# Altium PCB RTM_SFP.PcbDoc (part 2 of 5) (continued)
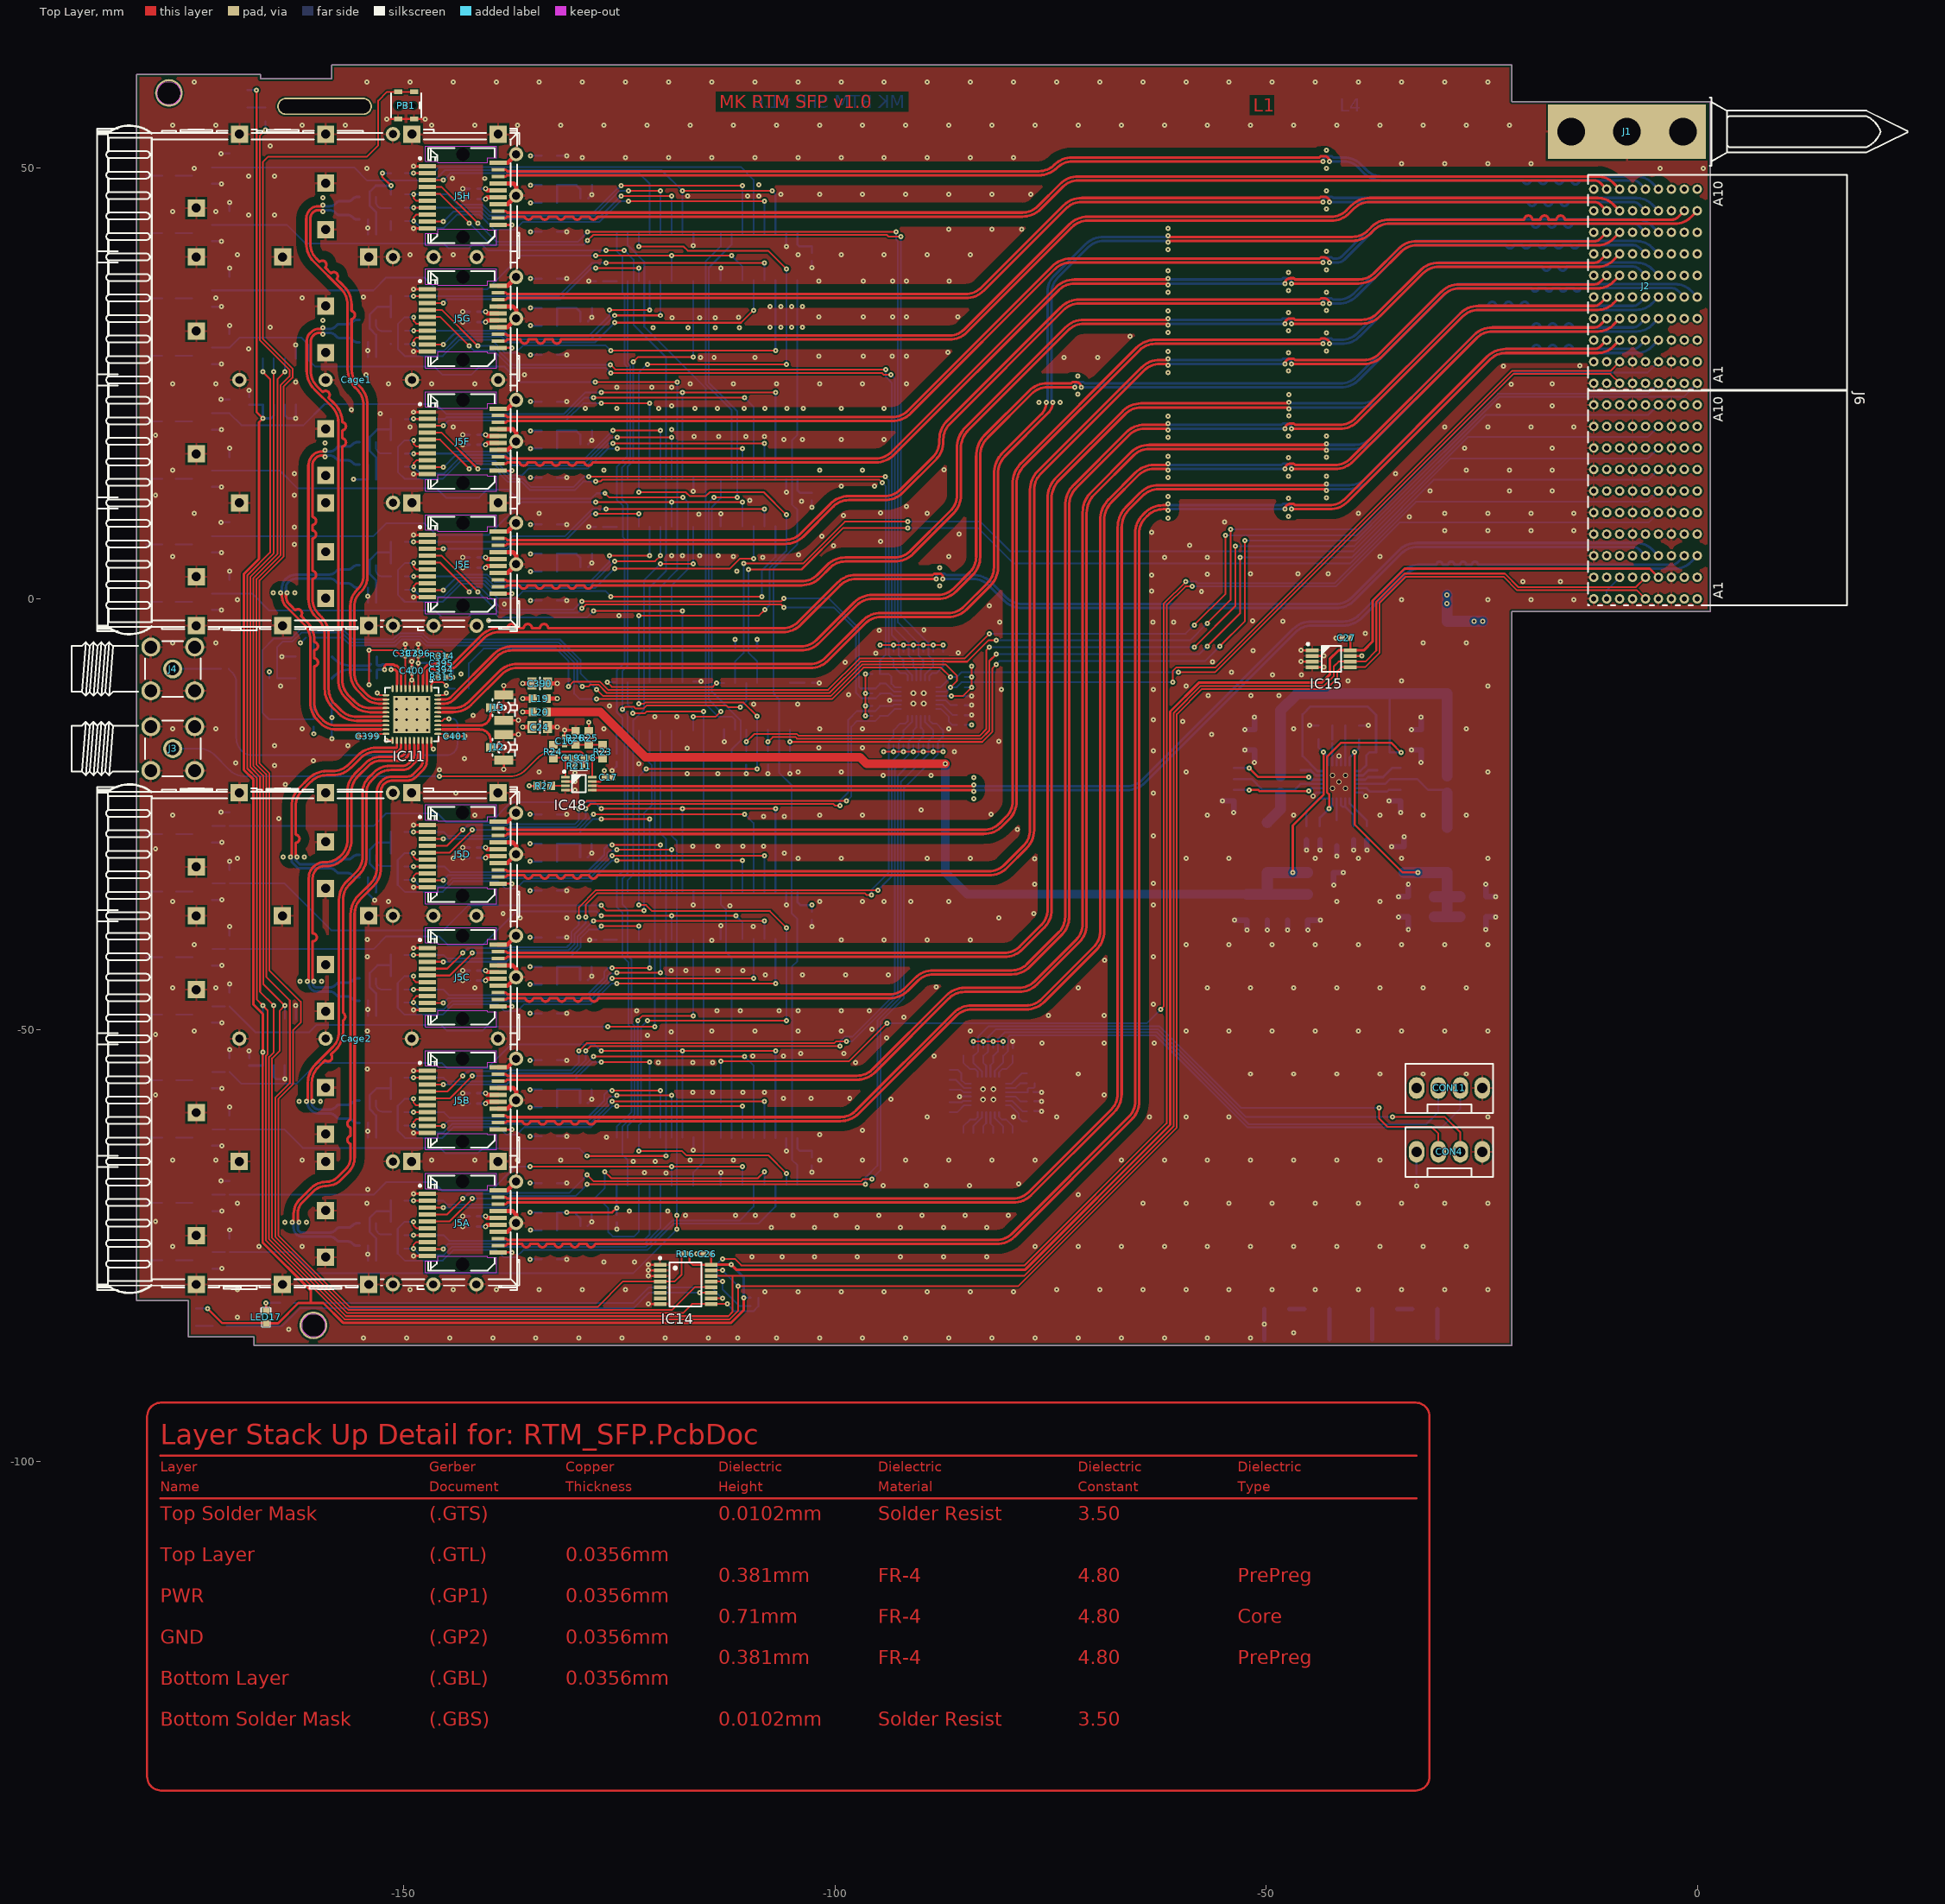
[diagram p0: Top Layer view]
## Nets (pads, with @x,y where several pads share a name; then routed paths per layer and width w, separated by ;. In a path a pad name is that pad's centre, name@x,y a point inside that pad or via, vN(x,y) a via of type N, cw(c..) or ccw(c..) an arc to the next point about the centre after c; other vN are vias at no path point) (continued)
  Bottom Layer w0.254: T1E.2@-172.25,-1.275 v1(-171.16,-1.275) ; T2E.2@-172.25,5.375 v1(-171.16,5.375) ; T1F.2@-172.25,12.975 v1(-171.16,12.975) ; T2F.2@-172.25,19.625 v1(-171.16,19.625) ; T1G.2@-172.25,27.225 v1(-171.16,27.225) ; T2G.2@-172.25,33.875 v1(-171.16,33.875) ; T1H.2@-172.25,41.475 v1(-171.16,41.475) ; T2H.2@-172.25,48.125 v1(-171.16,48.125) ; T1B.2@-172.225,-63.4 v1(-171.135,-63.4) ; T2B.2@-172.225,-56.75 v1(-171.135,-56.75) ; T1C.2@-172.225,-49.15 v1(-171.135,-49.15) ; T2C.2@-172.225,-42.5 v1(-171.135,-42.5) ; T1D.2@-172.225,-34.9 v1(-171.135,-34.9) ; T2D.2@-172.225,-28.25 v1(-171.135,-28.25) ; T1A.2@-172.21,-77.651 v1(-171.12,-77.651) ; T2A.2@-172.21,-71.001 v1(-171.12,-71.001) ; v1(-171.21,-67.501) R10A.1@-170.22,-67.501 ; v1(-171.21,-24.75) R10D.1@-170.22,-24.75 ; v1(-171.21,8.875) R10E.1@-170.22,8.875 ; v1(-171.21,23.125) R10F.1@-170.22,23.125 ; v1(-171.21,51.625) R10H.1@-170.22,51.625 ; R12A.1@-170.22,-74.151 v1(-170.22,-73.161) ; R12B.1@-170.22,-59.9 v1(-170.22,-58.91) ; R10B.1@-170.22,-53.25 v1(-170.22,-52.26) ; R12C.1@-170.22,-45.65 v1(-170.22,-44.66) ; R10C.1@-170.22,-39 v1(-170.22,-38.01) ; R12D.1@-170.22,-31.4 v1(-170.22,-30.41) ; R12E.1@-170.22,2.225 v1(-170.22,3.215) ; R12F.1@-170.22,16.475 v1(-170.22,17.465) ; R12G.1@-170.22,30.725 v1(-170.22,31.715) ; R10G.1@-170.22,37.375 v1(-170.22,38.365) ; R12H.1@-170.22,44.975 v1(-170.22,45.965) ; C21.2@-167.94,-53.214 v1(-167.94,-52.43) ; C25.2@-167.94,23.386 v1(-167.94,24.17) ; IC12.7@-165.09,-54.114 -165.09,-55.43 -164.85,-55.67 v1(-163.82,-55.67) IC12.6@-163.82,-54.114 ; v1(-164.15,-6.69) OSC1.3@-162.56,-6.69 ; IC13.6@-163.82,22.486 -163.82,21.28 -163.47,20.93 v1(-162.55,20.93) IC13.5@-162.55,22.486 ; IC12.4@-162.55,-48.714 v1(-162.55,-47.157) ; IC13.4@-162.55,27.886 v1(-162.55,29.443) ; v1(-158.36,-16.2) C391.1@-158.36,-15.27 ; v1(-155.86,13.85) C202F.1@-154.18,13.85 ; C202A.1@-154.18,-76.711 IC20A.2@-154.18,-75.001 ; C202B.1@-154.18,-62.46 IC20B.2@-154.18,-60.75 ; C202C.1@-154.18,-48.31 IC20C.2@-154.18,-46.6 ; C202D.1@-154.18,-34.01 IC20D.2@-154.18,-32.3 ; C202E.1@-154.18,-0.41 IC20E.2@-154.18,1.3 ; IC20F.2@-154.18,15.56 C202F.1@-154.18,13.85 ; C202G.1@-154.18,28.05 IC20G.2@-154.18,29.76 ; C202H.1@-154.18,42.29 IC20H.2@-154.18,44 ; C202D.1@-154.16,-34.01 -154.16,-34.17 v1(-153.41,-34.92) ; C202F.1@-154.16,13.85 C202F.1@-154.18,13.85 ; C219A.2@-132.264,-76.57 v1(-131.129,-76.57) ; C220A.2@-132.264,-67.75 v1(-131.129,-67.75) ; C219B.2@-132.264,-62.32 v1(-131.129,-62.32) ; C220B.2@-132.264,-53.5 v1(-131.129,-53.5) ; C219C.2@-132.264,-48.07 v1(-131.129,-48.07) ; C220C.2@-132.264,-39.25 v1(-131.129,-39.25) ; C219D.2@-132.264,-33.82 v1(-131.129,-33.82) ; C220D.2@-132.264,-25 v1(-131.129,-25) ; C219E.2@-132.25,-0.19 v1(-131.115,-0.19) ; C220E.2@-132.25,8.63 v1(-131.115,8.63) ; C219F.2@-132.25,14.06 v1(-131.115,14.06) ; C220F.2@-132.25,22.88 v1(-131.115,22.88) ; C219G.2@-132.25,28.31 v1(-131.115,28.31) ; C220G.2@-132.25,37.13 v1(-131.115,37.13) ; C219H.2@-132.25,42.56 v1(-131.115,42.56) ; C220H.2@-132.25,51.38 v1(-131.115,51.38) ; C186A.2@-128.667,-72.703 -128.214,-72.25 C13A.2@-128.214,-71.15 ; C186B.2@-128.664,-58.45 v1(-128.214,-58) C13B.2@-128.214,-56.9 ; C186C.2@-128.664,-44.2 v1(-128.214,-43.75) C13C.2@-128.214,-42.65 ; C186D.2@-128.664,-29.95 v1(-128.214,-29.5) C13D.2@-128.214,-28.4 ; C186E.2@-128.65,3.68 -128.2,4.13 C13E.2@-128.2,5.23 ; C186F.2@-128.65,17.93 -128.2,18.38 C13F.2@-128.2,19.48 ; C186G.2@-128.65,32.18 -128.2,32.63 C13G.2@-128.2,33.73 ; C186H.2@-128.65,46.43 v1(-128.2,46.88) C13H.2@-128.2,47.98 ; v1(-128.55,36.84) C6.2@-127.76,36.84 ; v1(-128.548,8.342) C7.2@-127.76,8.342 ; v1(-128.458,-39.538) C22.2@-127.67,-39.538 ; v1(-125.84,-19.91) -125.35,-19.42 C1.2@-125.35,-18.9 ; v1(-125.31,-73.09) C2.2@-125.31,-72.315 ; v1(-116.425,-63.91) IC8.8@-116.425,-62.45 ; v1(-116.425,-35.505) IC6.8@-116.425,-33.95 ; IC10.8@-116.425,-9.575 v1(-115.545,-9.575) ; v1(-116.425,12.47) IC4.8@-116.425,13.93 ; v1(-116.425,40.97) IC3.8@-116.425,42.43 ; IC9.8@-113.26,-67.944 v1(-113.26,-66.504) ; IC7.8@-113.26,-39.444 v1(-113.26,-37.889) ; IC5.8@-113.26,8.436 v1(-113.26,9.876) ; IC2.8@-113.26,36.936 v1(-113.26,38.376) ; v1(-112.85,-16.59) IC1.7@-112.85,-15.15 ; R2.1@-111.58,-5.65 v1(-111.58,-4.68) ; v1(-110.3,-20.29) R3.1@-110.3,-19.25 ; R5.1@-109.04,-5.65 v1(-109.04,-4.68) ; v1(-107.77,-20.29) R13.1@-107.77,-19.25 ; v1(-105.64,-64.004) IC9.15@-105.64,-62.544 ; v1(-105.64,-35.504) IC7.15@-105.64,-34.044 ; v1(-105.64,12.376) IC5.15@-105.64,13.836 ; v1(-105.64,40.876) IC2.15@-105.64,42.336 ; v1(-105.23,-20.29) R4.1@-105.23,-19.25 ; v1(-102.7,-66.484) C3.2@-102.7,-65.694 ; v1(-102.7,-37.984) C4.2@-102.7,-37.194 ; v1(-102.7,10.596) C20.2@-102.7,11.386 ; v1(-102.7,38.396) C8.2@-102.7,39.186 ; C23.2@-102.64,-9.75 v1(-101.85,-9.75) ; v1(-93.66,-11.78) IC39.9@-92.369,-11.78 ; v1(-85.572,-57.71) IC40.9@-84.28,-57.71 ; C404.1@-85.04,-11.28 v1(-84.15,-11.28) ; R327.1@-84.94,-13.47 v1(-84.15,-13.47) ; R326.1@-84.94,-12.325 v1(-84.15,-12.325) ; R349.1@-79.381,-52.08 v1(-79.381,-51.29) ; C402.1@-76.951,-57.21 v1(-76.061,-57.21) ; R348.1@-76.851,-59.4 v1(-76.061,-59.4) ; R347.1@-76.851,-58.255 v1(-76.061,-58.255) ; v1(-44.95,-14.67) R248.1@-43.91,-14.67 ; v2(-44.57,-22.87) -44.17,-22.47 IC16.19@-43.51,-22.47 ; IC16.3@-41.81,-19.27 -41.81,-18.46 v2(-41.56,-18.21) -41.31,-18.46 IC16.4@-41.31,-19.27 ; IC16.12@-39.61,-22.47 -38.85,-22.47 v2(-38.45,-22.87) ; R18.1@-39.21,-14.67 v1(-38.17,-14.67) ; v1(-32.56,-68.09) C403.1@-32.56,-67.36
  Bottom Layer w0.3: v2(-143.2,-72.765) C228A.2@-142.4,-72.765 ; v2(-143.2,-71.58) C214A.2@-142.4,-71.58 ; v2(-143.2,-58.515) C228B.2@-142.4,-58.515 ; v2(-143.2,-57.33) C214B.2@-142.4,-57.33 ; v2(-143.2,-44.265) C228C.2@-142.4,-44.265 ; v2(-143.2,-43.08) C214C.2@-142.4,-43.08 ; v2(-143.2,-30.015) C228D.2@-142.4,-30.015 ; v2(-143.2,-28.83) C214D.2@-142.4,-28.83 ; v2(-143.186,3.615) C228E.2@-142.386,3.615 ; v2(-143.186,4.8) C214E.2@-142.386,4.8 ; v2(-143.186,17.865) C228F.2@-142.386,17.865 ; v2(-143.186,19.05) C214F.2@-142.386,19.05 ; v2(-143.186,32.115) C228G.2@-142.386,32.115 ; v2(-143.186,33.3) C214G.2@-142.386,33.3 ; v2(-143.186,46.365) C228H.2@-142.386,46.365 ; v2(-143.186,47.55) C214H.2@-142.386,47.55
  Bottom Layer w0.5: pad.ESD_STRIP_SEGMENT_3@-50.22,-85.914 R22.2@-50.22,-82.339
  Bottom Layer w0.635: v1(-55.09,-23.425) T5.1@-53.75,-23.425 v1(-53.75,-24.765) ; v1(-53.67,-37.26) C181.1@-52.23,-37.26 v1(-52.23,-38.4) ; v1(-52.49,-17.51) C9.1@-51.35,-17.51 v1(-51.35,-18.95) ; v1(-52.49,-15.16) C10.1@-51.35,-15.16 v1(-51.35,-13.72) ; v1(-49.87,-38.4) C182.1@-49.87,-37.26 ; v1(-47.52,-38.4) C180.1@-47.52,-37.26 ; v1(-45.32,-29.11) R54.2@-45.32,-27.97 ; v1(-45.17,-38.4) C179.1@-45.17,-37.26 v1(-43.73,-37.26) ; v1(-43.76,-29.11) C84.2@-43.76,-27.97 ; v1(-42.17,-33.17) C176.1@-42.17,-31.73 v1(-41.03,-31.73) ; v1(-41.81,-29.81) C207.1@-41.81,-28.67 ; v1(-39.86,-29.11) C386.1@-39.86,-27.97 ; v1(-38.31,-29.11) R246.1@-38.31,-27.97 ; v1(-35.76,-23.425) T6.1@-34.42,-23.425 v1(-34.42,-24.765) ; v1(-35.46,-28.73) C209.1@-34.02,-28.73 v1(-34.02,-27.59) ; v1(-34.66,-36.88) C210.1@-33.52,-36.88 v1(-33.52,-38.32) ; v1(-34.66,-34.53) C208.1@-33.52,-34.53 v1(-33.52,-33.09) ; v1(-33.16,-17.51) C12.1@-32.02,-17.51 v1(-32.02,-18.95) ; v1(-33.16,-15.16) C14.1@-32.02,-15.16 v1(-32.02,-13.72) ; v1(-24.52,-38.32) C213.1@-24.52,-36.88 v1(-23.38,-36.88) ; v1(-24.52,-33.09) C15.1@-24.52,-34.53 v1(-23.38,-34.53)
  other v1: -154.7,-85.69 -149.7,-85.69 -144.7,-85.69 -139.7,-85.69 -134.7,-85.69 -129.7,-85.69 -124.7,-85.69 -119.7,-85.69 -114.7,-85.69 -111.3,-85.69 -106.8,-85.69 -101.8,-85.69 -96.8,-85.69 -91.8,-85.69 -86.8,-85.69 -81.8,-85.69 -76.8,-85.69 -71.8,-85.69 -66.8,-85.69 -61.8,-85.69 -56.8,-85.69 -51.8,-85.69 -46.8,-85.089 -163.34,-84.69 -50.22,-84.087 -169.3,-83.32 -108.14,-80.33 -104.3,-80.33 -99.3,-80.33 -94.3,-80.33 -89.3,-80.33 -84.3,-80.33 -79.3,-80.33 -169.3,-80.089 -149.3,-80.089 -144.3,-80.089 -139.3,-80.089 -134.3,-80.089 -129.3,-80.089 -124.3,-80.089 -74.3,-80.089 -69.3,-80.089 -64.3,-80.089 -59.3,-80.089 -54.3,-80.089 -49.3,-80.089 -44.3,-80.089 -39.3,-80.089 -34.3,-80.089 -29.3,-80.089 -24.3,-80.089 -126.8,-76.88 -123.24,-76.88 -109.65,-76.275 -106.125,-76.275 -102.4,-76.275 -97.4,-76.275 -92.4,-76.275 -87.4,-76.275 -82.4,-76.275 -154.18,-75.981 -176.8,-75.089 -166.8,-75.089 -161.8,-75.089 -76.8,-75.089 -71.8,-75.089 -66.8,-75.089 -61.8,-75.089 -56.8,-75.089 -51.8,-75.089 -46.8,-75.089 -41.8,-75.089 -36.8,-75.089 -31.8,-75.089 -26.8,-75.089 -107.4,-72.9 -102.4,-72.9 -97.4,-72.9 -92.4,-72.9 -87.4,-72.9 -82.4,-72.9 -163.79,-72.3 -161.32,-72.3 -128.2,-72.25 -178.8,-72.2 -117.37,-71.47 -111.55,-71.47 -109.23,-71.47 -104.9,-71.47 -99.9,-71.47 -94.9,-71.47 -89.9,-71.47 -84.9,-71.47 -79.9,-71.47 -123.88,-70.97 -119.42,-70.97 -169.3,-70.089 -154.3,-70.089 -64.3,-70.089 -59.3,-70.089 -54.3,-70.089 -49.3,-70.089 -44.3,-70.089 -39.3,-70.089 -34.3,-70.089 -29.3,-70.089 -24.3,-70.089 -71.8,-69.1 -154.2,-68.5 -94.4,-68.05 -89.4,-68.05 -84.4,-68.05 -78.7,-67.85 -119.62,-66.57 -122.1,-66.51 -123.39,-65.21 -120.85,-65.21 -176.8,-65.089 -171.8,-65.089 -161.8,-65.089 -146.8,-65.089 -141.8,-65.089 -136.8,-65.089 -131.8,-65.089 -116.8,-65.089 -111.8,-65.089 -101.8,-65.089 -96.8,-65.089 -91.8,-65.089 -86.8,-65.089 -81.8,-65.089 -76.8,-65.089 -66.8,-65.089 -61.8,-65.089 -56.8,-65.089 -51.8,-65.089 -46.8,-65.089 -41.8,-65.089 -36.8,-65.089 -126.5,-62.4 -101.8,-62.1 -154.18,-61.73 -96.8,-61.6 -89.3,-60.089 -79.3,-60.089 -74.3,-60.089 -63.55,-60.089 -59.3,-60.089 -54.3,-60.089 -24.3,-60.089 -162.146,-58.29 -159.676,-58.29 -93.5,-58 -106,-57.9 -102.8,-57.9 -98.3,-57.9 -178.8,-57.5 -68.8,-57.5 -116.5,-57.225 -114.2,-57.225 -110.7,-57.225 -108.2,-57.225 -71.8,-55.089 -51.8,-55.089 -46.8,-55.089 -41.8,-55.089 -36.8,-55.089 -31.8,-55.089 -26.8,-55.089 -154.225,-54.5 -120.5,-53.75 -116.5,-53.75 -114.2,-53.75 -97.625,-53.75 -109.525,-53.025 -106,-53 -88.5,-53 -104,-52.7 -99,-52.7 -76,-51.5 -68.8,-51.5 -63,-51.5 -94,-50.9 -121.75,-50.6 -178.8,-50.5 -119,-50.2 -174.3,-50.089 -154.225,-50.089 -114.3,-50.089 -109.3,-50.089 -104.3,-50.089 -99.3,-50.089 -84.3,-50.089 -59.3,-50.089 -54.3,-50.089 -49.3,-50.089 -44.3,-50.089 -39.3,-50.089 -34.3,-50.089 -29.3,-50.089 -24.3,-50.089 -95.7,-49.9 -92,-48.5 -75.25,-48.3 -68.8,-48.3 -123,-47.775 -113.7,-47.775 -111,-47.775 -106.5,-47.775 -104.3,-47.775 -99.3,-47.775 -96.025,-47.775 -154.18,-47.58 -63.1,-47 -176.8,-45.089 -171.8,-45.089 -141.8,-45.089 -71.8,-45.089 -56.8,-45.089 -51.8,-45.089 -46.8,-45.089 -41.8,-45.089 -36.8,-45.089 -31.8,-45.089 -26.8,-45.089 -88.275,-45.025 -162.043,-44.34 -159.573,-44.34 -108.1,-43.6 -103.8,-43.6 -98.8,-43.6 -93.8,-43.6 -119,-43.1 -117.3,-43.1 -113.6,-43.1 -110.7,-43.1 -68.725,-41.875 -154.225,-41.5 -63.1,-41.5 -174.3,-40.089 -59.3,-40.089 -54.3,-40.089 -49.3,-40.089 -44.3,-40.089 -39.3,-40.089 -34.3,-40.089 -29.3,-40.089 -24.3,-40.089 -114.3,-39.589 -99.3,-39.539 -94.3,-39.539 -89.3,-39.539 -84.3,-39.539 -154.225,-39.5 -109.5,-38 -136.5,-37 -131.1,-37 -81,-37 -138.5,-36.5 -76.95,-36.5 -112.2,-35.6 -63.1,-35.5 -94.3,-35.1 -91.2,-35.1 -176.8,-35.089 -151.8,-35.089 -101.8,-35.089 -96.8,-35.089 -86.8,-35.089 -41.8,-35.089 -36.8,-35.089 -76.85,-33.1 -63.1,-33 -76.85,-30.125 -169.3,-30.089 -144.3,-30.089 -104.3,-30.089 -99.3,-30.089 -89.3,-30.089 -84.3,-30.089 -59.3,-30.089 -54.3,-30.089 -44.3,-30.089 -39.3,-30.089 -34.3,-30.089 -24.3,-30.089 -164.013,-29.92 -161.543,-29.92 -105.9,-29.5 -178.8,-29 -116.5,-28.7 -113.6,-28.7 -110.7,-28.7 -108.3,-28.7 -63.1,-27.5 -78.875,-26.75 -164.5,-25.5 -108.3,-25.25 -105.9,-25.25 -176.8,-25.089 -141.8,-25.089 -101.8,-25.089 -96.8,-25.089 -56.8,-25.089 -46.8,-25.089 -36.8,-25.089 -31.8,-25.089 -26.8,-25.089 -81.925,-24.964 -90,-24.5 -83.93,-23.176 -144,-22.5 -63.1,-22.5 -163.75,-21.5 -83.93,-20.706 -94.41,-20.48 -88.88,-20.47 -117.17,-20.29 -113.58,-20.29 -134.3,-20.089 -104.3,-20.089 -99.3,-20.089 -59.3,-20.089 -24.3,-20.089 -145.86,-19.81 -165,-19.3 -122.75,-19.125 -169.5,-19 -160.5,-18.75 -143,-18.5 -86.17,-17.7 -63.1,-17.6 -117.17,-17.3 -101.87,-17.27 -96.82,-17.27 -165,-17 -156.5,-17 -81,-16.5 -56.3,-15.7 -176.8,-15.089 -171.8,-15.089 -161.8,-15.089 -126.8,-15.089 -101.8,-15.089 -96.8,-15.089 -86.8,-15.089 -46.8,-15.089 -26.8,-15.089 -59.7,-14.2 -63.1,-14 -120.88,-13.68 -118.34,-13.68 -142,-13.5 -126.15,-12.39 -109.44,-12.23 -104.33,-12.23 -56.7,-11.2 -51.75,-11.2 -48.5,-11.2 -98.41,-11.13 -80.7,-10.5 -63.1,-10.5 -164.3,-10.089 -59.3,-10.089 -24.3,-10.089 -40.5,-9.5 -34.3,-9.5 -49.25,-8.8 -45.9,-8.8 -143.4,-8.7 -54,-8.5 -98.84,-7.35 -56.2,-7.3 -95.28,-6.29 -85.72,-6.25 -51.5,-6 -176.8,-5.089 -171.8,-5.089 -31.8,-5.089 -26.8,-5.089 -38.5,-4 -94.88,-3.63 -89.69,-3.605 -80.925,-2.71 -63.12,-2.71 -60.75,-2.71 -48.05,-2.575 -51.575,-2.55 -140.2,-2.5 -125.075,-1.95 -82.09,-0.78 -138.35,-0.575 -169.3,-0.089 -34.3,-0.089 -24.3,-0.089 -19.3,-0.089 -14.3,-0.089 -154.18,0.32 -165.144,0.73 -162.674,0.73 -57.5,0.875 -63.27,0.91 -87.87,1.49 -20.25,2 -15.875,2 -63.27,2.76 -56.8,2.86 -51.8,2.9 -46.3,2.9 -42.8,2.9 -111.38,3.23 -87.87,3.6 -128.19,4.14 -61.8,4.786 -56.8,4.786 -108.39,4.815 -176.8,4.911 -111.8,4.911 -86.8,4.911 -36.8,4.911 -118.96,5 -117.69,5 -115.7,5 -113.56,5 -104.25,5.09 -100.16,6.17 -58.87,6.22 -162.7,6.3 -94.74,6.67 -101.52,7.24 -85.625,7.5 -63.27,7.72 -29.3,7.9 -24.3,7.9 -19.3,7.9 -14.3,7.9 -162.7,8.3 -54.825,8.925 -61.373,9.39 -33.4,9.5 -47.411,9.578 -99.05,9.661 -115.8,9.83 -174.3,9.911 -134.3,9.911 -89.3,9.911 -39.3,9.911 -29.3,9.911 -24.3,9.911 -19.3,9.911 -14.3,9.911 -94.74,9.95 -91.72,10.73 -103.88,11.3 -109.88,11.4 -47.411,11.688 -43.015,11.742 -61.373,11.86 -178.8,12 -162.7,12 -31,12.5 -21.8,12.5 -16.8,12.5 -99.3,13.07 -95.41,13.07 -61.37,14.057 -43.015,14.212 -47.408,14.245 -162.7,14.5 -35,14.5 -176.8,14.911 -126.8,14.911 -101.8,14.911 -96.8,14.911 -26.8,14.911 -21.8,14.911 -16.8,14.911 -87.35,14.986 -47.408,16.355 -42.995,16.402 -61.37,16.527 -27,17.5 -16.8,17.5 -159.14,18.095 -128.19,18.38 -105.93,18.5 -103.8,18.5 -99.3,18.5 -94.3,18.5 -61.37,18.714 -116.36,18.85 -113.47,18.85 -110.36,18.85 -108.18,18.85 -42.995,18.872 -47.408,18.902 -178.8,19 -118.95,19.625 -149.3,19.911 -144.3,19.911 -29.3,19.911 -24.3,19.911 -19.3,19.911 -14.3,19.911 -61.37,21.184 -47.355,21.212 -152.75,21.5 -156.075,21.95 -128.94,22.07 -125.31,22.07 -120.45,22.07 -116.23,22.07 -113.66,22.07 -110.53,22.07 -108.15,22.07 -105.6,22.07 -103.7,22.07 -99.3,22.07 -94.3,22.07 -118.95,22.4 -23.1,22.4 -16.8,22.4 -76.37,22.79 -73.9,22.79 -47.355,23.682 -71.847,23.715 -125.31,24.55 -121.25,24.55 -118.95,24.55 -21.6,24.9 -176.8,24.911 -171.8,24.911 -151.8,24.911 -146.8,24.911 -141.8,24.911 -116.8,24.911 -111.8,24.911 -106.8,24.911 -101.8,24.911 -96.8,24.911 -91.7,24.911 -16.8,24.911 -162.55,25.111 -71.847,25.825 -154.375,26 -136,26 -61.37,26.237 -47.408,26.426 -22.5,27 -13.625,27.05 -115.61,27.97 -114.02,27.97 -109.3,27.97 -73.425,27.975 -69.55,27.975 -101.86,28.15 -96.73,28.14 -93.36,28.14 -91.7,28.14 -47.408,28.536 -86.925,28.575 -61.37,28.707 -43.012,28.755 -154.18,28.78 -168,29 -65.8,30.425 -43.012,30.865 -61.382,30.902 -47.42,31.09 -121.1,31.45 -117.03,31.45 -113.9,31.45 -111.1,31.45 -165.5,31.5 -107.52,31.5 -106.27,31.5 -105.01,31.5 -103.77,31.5 -159.41,32.295 -118.92,32.6 -115.69,32.6 -113.9,32.6 -111.175,32.625 -128.19,32.63 -101.87,32.705 -96.73,32.705 -93.33,32.705 -91.73,32.705 -85.77,32.705 -47.42,33.2 -61.382,33.372 -43.015,33.422 -107.52,33.91 -106.27,33.91 -105.01,33.91 -103.77,33.91 -171.8,34.911 -161.8,34.911 -154.675,35 -43.015,35.532 -61.37,35.564 -47.408,35.752 -101.87,36.828 -96.73,36.828 -93.33,36.828 -91.73,36.828 -86.77,36.828 -47.408,37.862 -61.37,38.034 -43.016,38.172 -169.3,39.911 -149.3,39.911 -144.3,39.911 -104.3,39.911 -99.3,39.911 -94.3,39.911 -89.3,39.911 -84.3,39.911 -43.016,40.282 -61.37,40.51 -86.8,42.85 -81.8,42.85 -78.375,42.85 -61.37,42.98 -154.18,43.02 -168,44.5 -165,44.5 -176.8,44.911 -171.8,44.911 -43.006,45.212 -159.41,46.535 -117.09,46.69 -110.12,46.69 -108.83,46.7 -106.28,46.914 -101.8,46.914 -96.8,46.914 -91.8,46.914 -86.8,46.914 -81.8,46.914 -77.3,46.914 -43.006,47.322 -108.84,48.02 -144.36,48.75 -140.65,48.74 -168,49 -165,49 -174.3,49.911 -154.3,49.911 -43.01,49.91 -4.3,49.911 0.7,49.911 -34.3,50.486 -29.3,50.486 -24.3,50.486 -19.3,50.486 -129.3,51.163 -124.3,51.163 -119.3,51.163 -114.3,51.163 -109.3,51.163 -104.3,51.163 -99.3,51.163 -94.3,51.163 -89.3,51.163 -84.3,51.163 -79.3,51.163 -43.01,52.02 -165.5,52.5 -176.8,54.911 -171.8,54.911 -161.8,54.911 -156.8,54.911 -146.8,54.911 -141.8,54.911 -136.8,54.911 -131.8,54.911 -126.8,54.911 -121.8,54.911 -116.8,54.911 -111.8,54.911 -106.8,54.911 -101.8,54.911 -96.8,54.911 -91.8,54.911 -86.8,54.911 -81.8,54.911 -76.8,54.911 -71.8,54.911 -66.8,54.911 -61.8,54.911 -56.8,54.911 -51.8,54.911 -46.8,54.911 -41.8,54.911 -36.8,54.911 -31.8,54.911 -26.8,54.911 -21.8,54.911 -174.3,59.91 -154.3,59.91 -149.3,59.91 -144.3,59.91 -139.3,59.91 -134.3,59.91 -129.3,59.91 -124.3,59.91 -119.3,59.91 -114.3,59.91 -109.3,59.91 -104.3,59.91 -99.3,59.91 -94.3,59.91 -89.3,59.91 -84.3,59.91 -79.3,59.91 -74.3,59.91 -69.3,59.91 -64.3,59.91 -59.3,59.91 -54.3,59.91 -49.3,59.91 -44.3,59.91 -39.3,59.91 -34.3,59.91 -29.3,59.91 -24.3,59.91
  other v3: -82.83,-58.06 -81.63,-58.06 -82.83,-56.86 -81.63,-56.86 -150.88,-15.21 -149.68,-15.21 -148.48,-15.21 -147.28,-15.21 -150.88,-14.01 -149.68,-14.01 -148.48,-14.01 -147.28,-14.01 -150.88,-12.81 -149.68,-12.81 -148.48,-12.81 -147.28,-12.81 -90.919,-12.13 -89.719,-12.13 -150.88,-11.61 -149.68,-11.61 -148.48,-11.61 -147.28,-11.61 -90.919,-10.93 -89.719,-10.93
  other v4: -42.31,-21.97 -40.81,-21.97 -41.56,-21.22 -42.31,-20.47 -40.81,-20.47
I2C_RESETN: IC39.24 R28.1 | length 3.5
  Bottom Layer w0.203: IC39.24@-88.269,-12.78 -87.7,-12.78 -86.8,-13.68 -86.8,-14.22 -86.4,-14.62 R28.1@-85.84,-14.62
NetC5_1: C5.1 IC11.34 | length 40.9
  Top Layer w0.203: IC11.34@-146.08,-14.16 -145.57,-14.16 -145.31,-13.9 v1(-144.79,-13.9)
  Bottom Layer w0.203: C5.1@-170.325,-8.124 -169.877,-8.572 cw(c-170.91,-9.603) -169.45,-9.603 -169.45,-16.095 ccw(c-167.265,-16.095) -168.81,-17.64 ccw(c-167.651,-16.481) -167.651,-18.12 -145.046,-18.12 ccw(c-145.046,-16.874) -143.8,-16.874 -143.8,-14.49 ccw(c-144.39,-14.49) -144.39,-13.9 v1(-144.79,-13.9)
NetC5_2: C5.2 J4.1 | length 5.6
  Bottom Layer w0.203: J4.1@-176.81,-8.124 C5.2@-171.225,-8.124
NetC11_1: C11.1 IC16.10 L1.1 T6.3 T6.7 T6.8 | length 15.4
  Bottom Layer w0.254: IC16.10@-39.61,-21.47 C11.1@-37.11,-21.47 -36.21,-21.47 -35.625,-20.885 T6.3@-34.42,-20.885 -32.485,-20.885 -31.215,-22.155 T6.7@-29.02,-22.155
  Bottom Layer w1.27: L1.1@-29.02,-26.51 T6.8@-29.02,-23.425 -29.02,-22.49
NetC11_2: C11.2 IC16.8 | length 2.7
  Bottom Layer w0.254: IC16.8@-39.61,-20.47 -38.75,-20.47 -38.15,-19.87 C11.2@-37.11,-19.87
NetC16_1: C16.1 R23.1 R24.1 R25.2 R26.2 | length 5.3
  Top Layer w0.203: R24.1@-132.38,-16.92 R23.1@-127.04,-16.92
NetC18_1: C18.1 J3.1 R211.1 | length 51.1
  Top Layer w0.203: v1(-145.86,-20.57) -137.672,-20.57 ccw(c-137.672,-18.03) -135.876,-19.826 -134.514,-18.464 cw(c-132.718,-20.26) -132.718,-17.72 -129.6,-17.72 cw(c-129.6,-18.107) -129.213,-18.107 C18.1@-129.213,-18.42 R211.1@-129.213,-19.33
  Bottom Layer w0.203: J3.1@-176.81,-17.364 -173.715,-17.364 cw(c-173.715,-19.775) -172.011,-18.069 -170.254,-19.826 ccw(c-168.458,-18.03) -168.458,-20.57 v1(-145.86,-20.57)
NetC18_2: C18.2 IC48.8 R23.2 | length 3.5
  Top Layer w0.203: IC48.8@-128.15,-20.69 -128.15,-18.583 C18.2@-128.313,-18.42 R23.2@-127.14,-18.42
NetC19_2: C19.2 IC48.1 R24.2 | length 3.5
  Top Layer w0.203: R24.2@-132.28,-18.42 C19.2@-131.113,-18.42 -131.25,-18.557 IC48.1@-131.25,-20.69
NetC207_2: C207.2 IC16.16 | length 2.5
  Bottom Layer w0.254: C207.2@-41.81,-25.67 IC16.16@-41.81,-23.17
NetC214A_1: C214A.1 C220A.1 J5A.16 L5A.2 | length 5.1
  Top Layer w0.5: v2(-140.548,-71.58) -140.354,-71.774 J5A.16@-139.09,-71.774
  Bottom Layer w0.254: v1(-135.359,-71.15) L5A.2@-134.064,-71.15 ; v1(-135.359,-67.75) C220A.1@-134.064,-67.75
  Bottom Layer w0.3: C214A.1@-141.514,-71.58 v2(-140.548,-71.58)
NetC214B_1: C214B.1 C220B.1 J5B.16 L5B.2 | length 5.1
  Top Layer w0.5: v2(-140.548,-57.33) -140.354,-57.524 J5B.16@-139.09,-57.524
  Bottom Layer w0.254: v1(-135.359,-56.9) L5B.2@-134.064,-56.9 ; v1(-135.359,-53.5) C220B.1@-134.064,-53.5
  Bottom Layer w0.3: C214B.1@-141.514,-57.33 v2(-140.548,-57.33)
NetC214C_1: C214C.1 C220C.1 J5C.16 L5C.2 | length 5.1
  Top Layer w0.5: v2(-140.548,-43.08) -140.354,-43.274 J5C.16@-139.09,-43.274
  Bottom Layer w0.254: v1(-135.359,-42.65) L5C.2@-134.064,-42.65 ; v1(-135.359,-39.25) C220C.1@-134.064,-39.25
  Bottom Layer w0.3: C214C.1@-141.514,-43.08 v2(-140.548,-43.08)
NetC214D_1: C214D.1 C220D.1 J5D.16 L5D.2 | length 5.1
  Top Layer w0.5: v2(-140.548,-28.83) -140.354,-29.024 J5D.16@-139.09,-29.024
  Bottom Layer w0.254: v1(-135.359,-28.4) L5D.2@-134.064,-28.4 ; v1(-135.359,-25) C220D.1@-134.064,-25
  Bottom Layer w0.3: C214D.1@-141.514,-28.83 v2(-140.548,-28.83)
NetC214E_1: C214E.1 C220E.1 J5E.16 L5E.2 | length 5.1
  Top Layer w0.5: v2(-140.534,4.8) -140.34,4.606 J5E.16@-139.075,4.606
  Bottom Layer w0.254: v1(-135.345,5.23) L5E.2@-134.05,5.23 ; v1(-135.345,8.63) C220E.1@-134.05,8.63
  Bottom Layer w0.3: C214E.1@-141.5,4.8 v2(-140.534,4.8)
NetC214F_1: C214F.1 C220F.1 J5F.16 L5F.2 | length 5.1
  Top Layer w0.5: v2(-140.534,19.05) -140.34,18.856 J5F.16@-139.075,18.856
  Bottom Layer w0.254: v1(-135.345,19.48) L5F.2@-134.05,19.48 ; v1(-135.345,22.88) C220F.1@-134.05,22.88
  Bottom Layer w0.3: C214F.1@-141.5,19.05 v2(-140.534,19.05)
NetC214G_1: C214G.1 C220G.1 J5G.16 L5G.2 | length 5.1
  Top Layer w0.5: v2(-140.534,33.3) -140.34,33.106 J5G.16@-139.075,33.106
  Bottom Layer w0.254: v1(-135.345,33.73) L5G.2@-134.05,33.73 ; v1(-135.345,37.13) C220G.1@-134.05,37.13
  Bottom Layer w0.3: C214G.1@-141.5,33.3 v2(-140.534,33.3)
NetC214H_1: C214H.1 C220H.1 J5H.16 L5H.2 | length 5.1
  Top Layer w0.5: v2(-140.534,47.55) -140.34,47.356 J5H.16@-139.075,47.356
  Bottom Layer w0.254: v1(-135.345,47.98) L5H.2@-134.05,47.98 ; v1(-135.345,51.38) C220H.1@-134.05,51.38
  Bottom Layer w0.3: C214H.1@-141.5,47.55 v2(-140.534,47.55)
NetC219A_1: C219A.1 C228A.1 J5A.15 L11A.2 | length 5.1
  Top Layer w0.5: v2(-140.548,-72.765) -140.357,-72.574 J5A.15@-139.09,-72.574
  Bottom Layer w0.254: v1(-135.359,-76.57) C219A.1@-134.064,-76.57 ; v1(-135.345,-73.2) L11A.2@-134.05,-73.2
  Bottom Layer w0.3: C228A.1@-141.514,-72.765 v2(-140.548,-72.765)
NetC219B_1: C219B.1 C228B.1 J5B.15 L11B.2 | length 5.1
  Top Layer w0.5: v2(-140.548,-58.515) -140.357,-58.324 J5B.15@-139.09,-58.324
  Bottom Layer w0.254: v1(-135.359,-62.32) C219B.1@-134.064,-62.32 ; v1(-135.359,-58.95) L11B.2@-134.064,-58.95
  Bottom Layer w0.3: C228B.1@-141.514,-58.515 v2(-140.548,-58.515)
NetC219C_1: C219C.1 C228C.1 J5C.15 L11C.2 | length 5.1
  Top Layer w0.5: v2(-140.548,-44.265) -140.357,-44.074 J5C.15@-139.09,-44.074
  Bottom Layer w0.254: v1(-135.359,-48.07) C219C.1@-134.064,-48.07 ; v1(-135.359,-44.7) L11C.2@-134.064,-44.7
  Bottom Layer w0.3: C228C.1@-141.514,-44.265 v2(-140.548,-44.265)
NetC219D_1: C219D.1 C228D.1 J5D.15 L11D.2 | length 5.1
  Top Layer w0.5: v2(-140.548,-30.015) -140.357,-29.824 J5D.15@-139.09,-29.824
  Bottom Layer w0.254: v1(-135.359,-33.82) C219D.1@-134.064,-33.82 ; v1(-135.359,-30.45) L11D.2@-134.064,-30.45
  Bottom Layer w0.3: C228D.1@-141.514,-30.015 v2(-140.548,-30.015)
NetC219E_1: C219E.1 C228E.1 J5E.15 L11E.2 | length 5.1
  Top Layer w0.5: v2(-140.534,3.615) -140.342,3.806 J5E.15@-139.075,3.806
  Bottom Layer w0.254: v1(-135.345,-0.19) C219E.1@-134.05,-0.19 ; v1(-135.345,3.18) L11E.2@-134.05,3.18
  Bottom Layer w0.3: C228E.1@-141.5,3.615 v2(-140.534,3.615)
NetC219F_1: C219F.1 C228F.1 J5F.15 L11F.2 | length 5.1
  Top Layer w0.5: v2(-140.534,17.865) -140.342,18.056 J5F.15@-139.075,18.056
  Bottom Layer w0.254: v1(-135.345,14.06) C219F.1@-134.05,14.06 ; v1(-135.345,17.43) L11F.2@-134.05,17.43
  Bottom Layer w0.3: C228F.1@-141.5,17.865 v2(-140.534,17.865)
NetC219G_1: C219G.1 C228G.1 J5G.15 L11G.2 | length 5.1
  Top Layer w0.5: v2(-140.534,32.115) -140.342,32.306 J5G.15@-139.075,32.306
  Bottom Layer w0.254: v1(-135.345,28.31) C219G.1@-134.05,28.31 ; v1(-135.345,31.68) L11G.2@-134.05,31.68
  Bottom Layer w0.3: C228G.1@-141.5,32.115 v2(-140.534,32.115)
NetC219H_1: C219H.1 C228H.1 J5H.15 L11H.2 | length 5.1
  Top Layer w0.5: v2(-140.534,46.365) -140.342,46.556 J5H.15@-139.075,46.556
  Bottom Layer w0.254: v1(-135.345,42.56) C219H.1@-134.05,42.56 ; v1(-135.345,45.93) L11H.2@-134.05,45.93
  Bottom Layer w0.3: C228H.1@-141.5,46.365 v2(-140.534,46.365)
NetC280_1: C280.1 IC16.21 L2.1 T5.3 T5.7 T5.8 | length 15.1
  Bottom Layer w0.254: T5.3@-53.75,-20.885 -51.685,-20.885 -50.415,-22.155 T5.7@-48.35,-22.155 -46.695,-22.155 C280.1@-46.01,-21.47 IC16.21@-43.51,-21.47
  Bottom Layer w1.27: L2.1@-49.87,-25.93 -48.35,-24.41 T5.8@-48.35,-23.425 -48.35,-22.49
NetC280_2: C280.2 IC16.23 | length 2.7
  Bottom Layer w0.254: C280.2@-46.01,-19.87 -44.85,-19.87 -44.25,-20.47 IC16.23@-43.51,-20.47
NetC386_2: C386.2 IC16.14 IC16.15 | length 4.9
  Bottom Layer w0.254: IC16.15@-41.31,-23.17 -41.31,-23.93 -41.13,-24.11 -40.81,-24.11 ; IC16.14@-40.81,-23.17 -40.81,-24.11 ; C386.2@-39.86,-26.37 -39.86,-25.06 -40.81,-24.11
NetC392_1: C392.1 IC11.9 R313.2 | length 5.9
  Top Layer w0.254: IC11.9@-150.83,-10.41 -150.83,-9.879 -150.809,-9.858
  Top Layer w0.305: v1(-151.475,-8.19) -151.05,-8.19 -150.809,-8.431 -150.809,-9.858
  Bottom Layer w0.305: R313.2@-153.16,-6.73 C392.1@-153.16,-7.58 -153.01,-7.73 -152.63,-7.73 -152.485,-7.585 -151.717,-7.585 -151.475,-7.828 v1(-151.475,-8.19)
NetC393_1: C393.1 IC11.8 R312.2 | length 6.5
  Top Layer w0.254: -150.351,-9.858 -150.33,-9.879 IC11.8@-150.33,-10.41
  Top Layer w0.305: v1(-152.235,-8.19) -152.235,-7.788 -152.032,-7.585 -151.224,-7.585 -151.077,-7.733 -150.84,-7.733 -150.351,-8.221 -150.351,-9.858
  Bottom Layer w0.305: R312.2@-153.16,-9.19 C393.1@-153.16,-8.34 -153.01,-8.19 v1@-152.443,-8.19
NetC394_1: C394.1 IC11.2 R315.2 | length 4.4
  Top Layer w0.254: -147.351,-9.858 -147.33,-9.879 IC11.2@-147.33,-10.41
  Top Layer w0.305: -147.351,-9.858 -147.351,-8.391 -147.064,-8.104 -146.546,-8.104 -146.399,-8.25 C394.1@-146.02,-8.25 R315.2@-146.02,-9.1
NetC395_1: C395.1 IC11.3 R314.2 | length 5.1
  Top Layer w0.254: IC11.3@-147.83,-10.41 -147.83,-9.879 -147.809,-9.858
  Top Layer w0.305: -147.809,-9.858 -147.809,-8.202 -147.253,-7.646 -146.546,-7.646 -146.399,-7.5 C395.1@-146.02,-7.5 R314.2@-146.02,-6.65